# Altium PCB ir-24v-shit5-7-v2.PcbDoc (part 3 of 5)
Units mm, origin at the board's own origin, x right, y up, seen from the top; angles counter-clockwise.
Board outline 326.8 x 258 mm, 2 copper layers (Top Layer, Bottom Layer); 1008 components, 31 nets, 2786 pads, 0 vias.
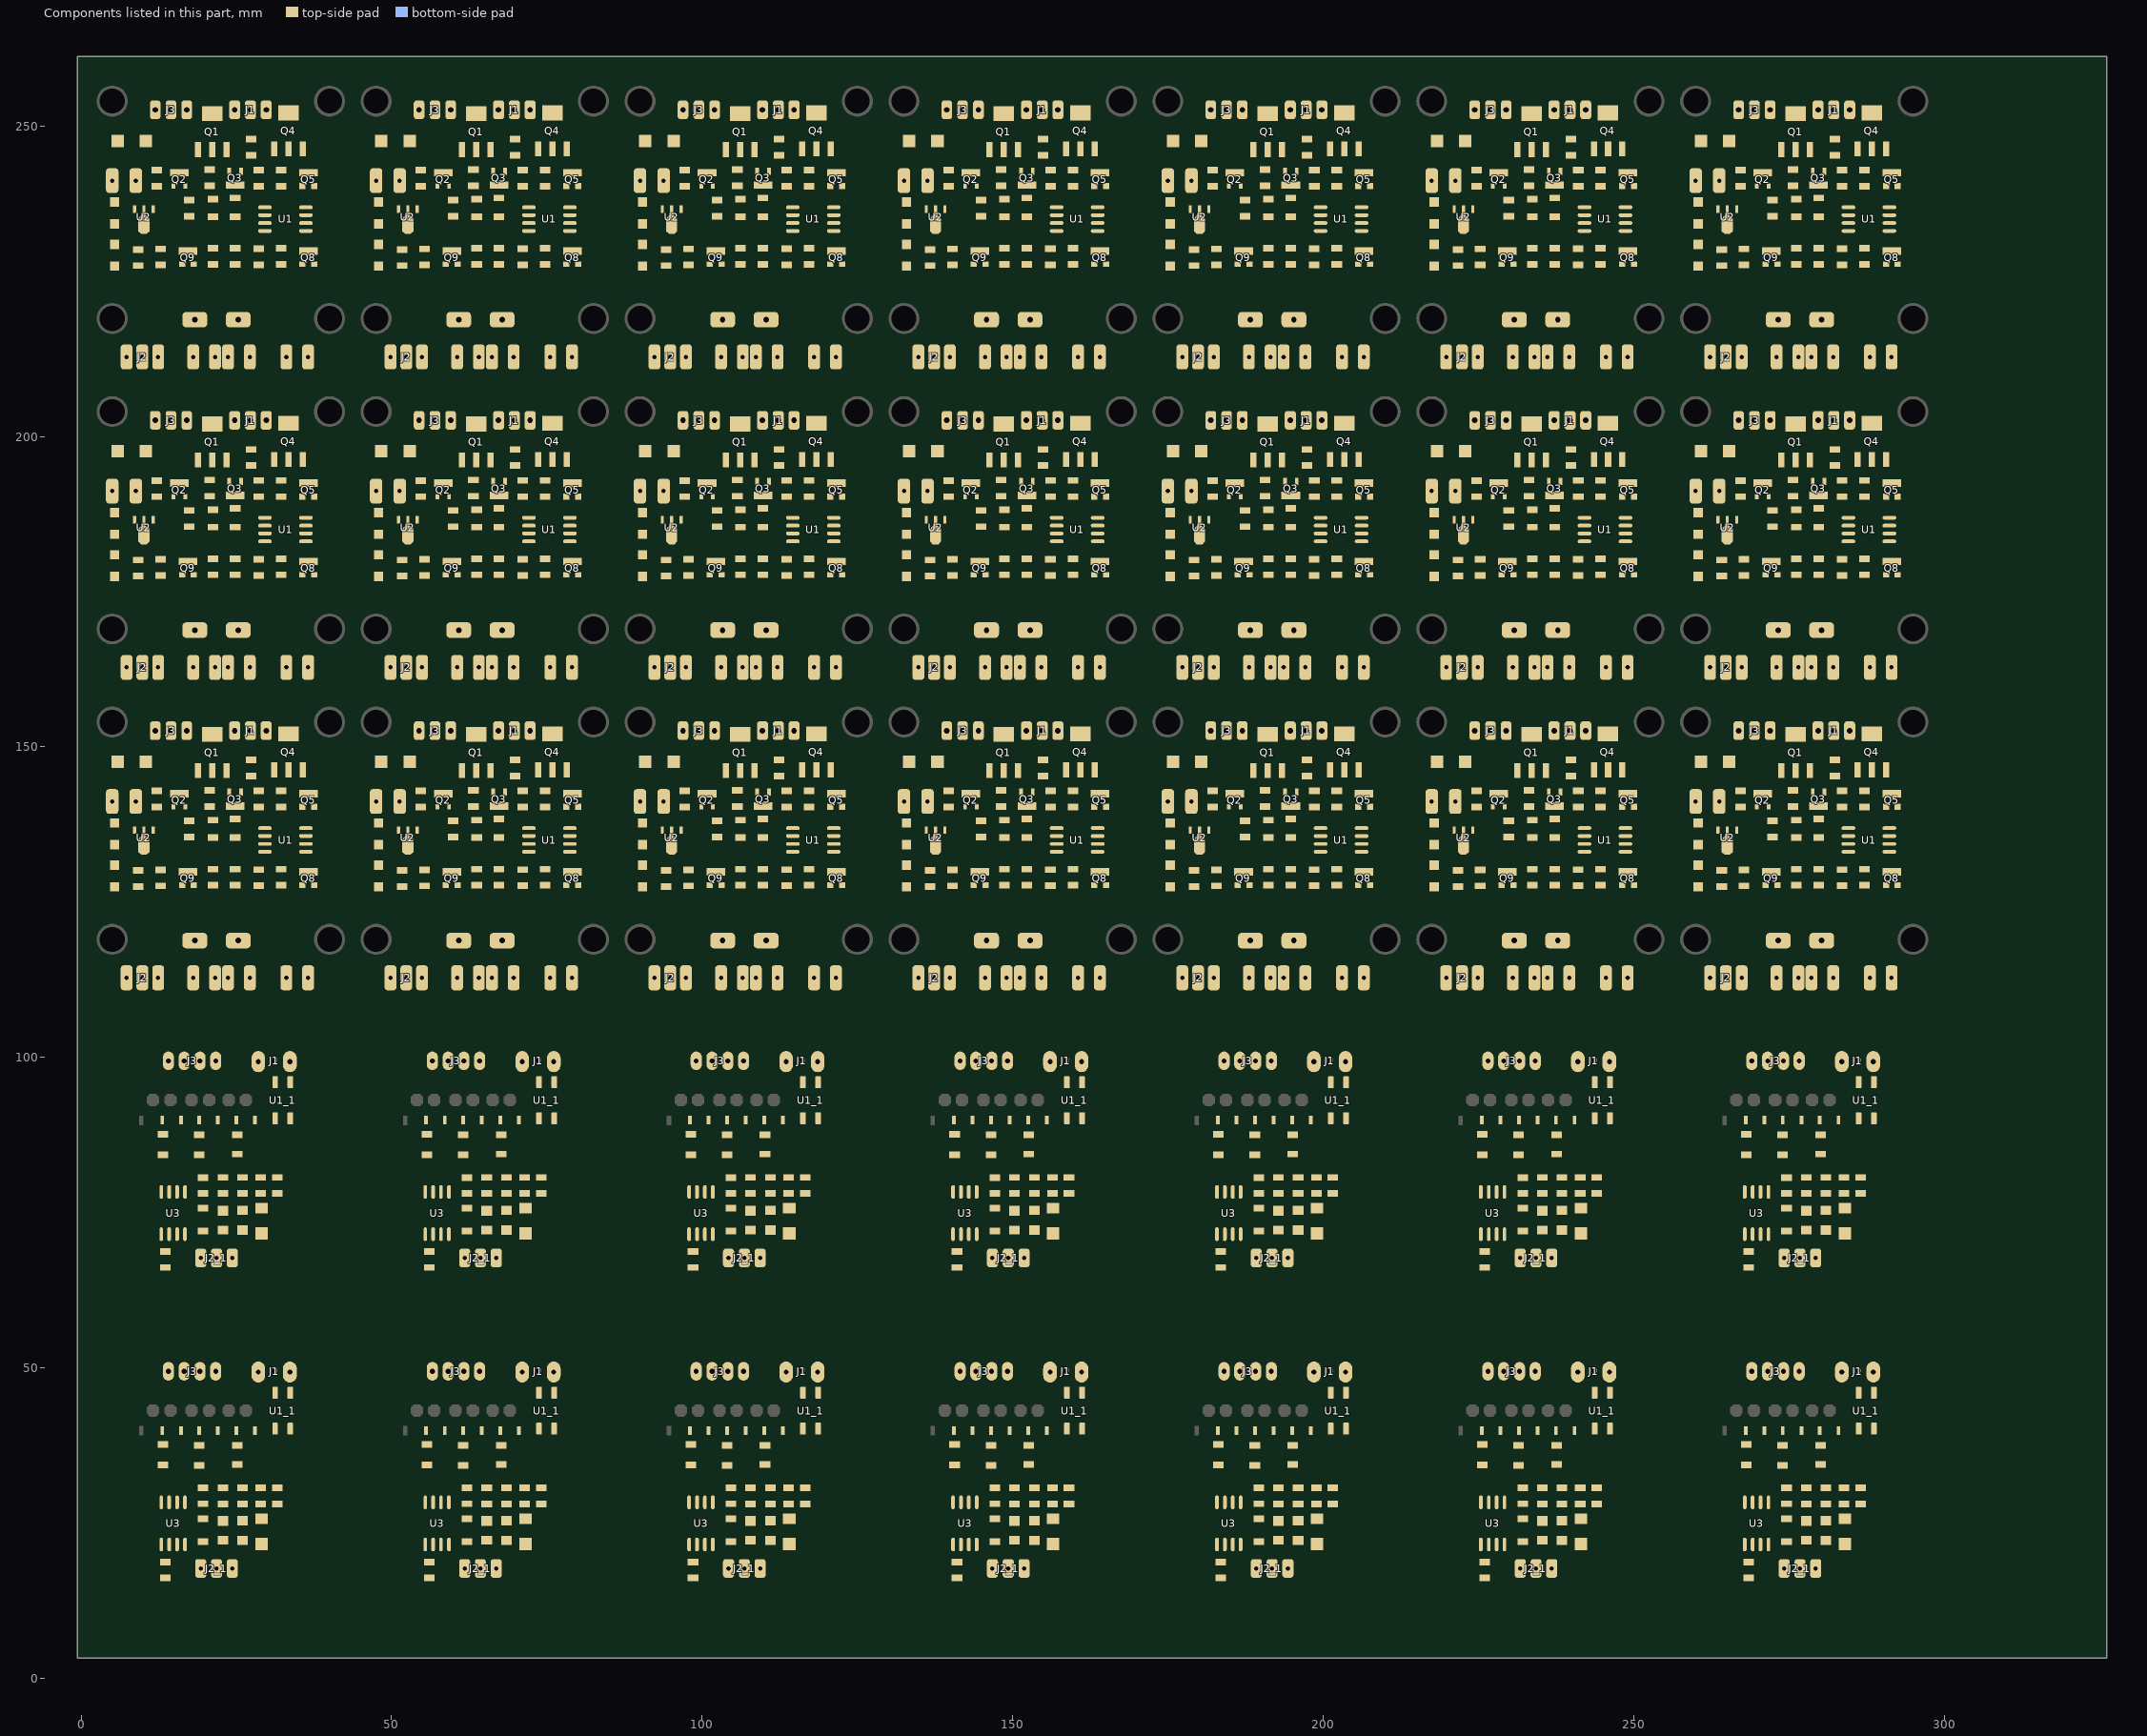
[diagram p3: the components of this part, seen from the top]

## Nets (pads, with @x,y where several pads share a name; then routed paths per layer and width w, separated by ;. In a path a pad name is that pad's centre, name@x,y a point inside that pad or via, vN(x,y) a via of type N, cw(c..) or ccw(c..) an arc to the next point about the centre after c; other vN are vias at no path point) (continued)
copper on no net: (continued)
  Top Layer w0.6: 5,127.45 5.45,127.9 5.9,127.9 8.101,130.101 9.2,130.101 9.501,130.101 13,133.6 13,135.4 ; 5,177.45 5.45,177.9 5.9,177.9 8.101,180.101 9.2,180.101 9.501,180.101 13,183.6 13,185.4 ; 5,227.45 5.45,227.9 5.9,227.9 8.101,230.101 9.2,230.101 9.501,230.101 13,233.6 13,235.4 ; 11.717,136.283 12.6,135.4 13,135.4 ; 11.717,186.283 12.6,185.4 13,185.4 ; 11.717,236.283 12.6,235.4 13,235.4 ; 12,140.299 12.099,140.2 14.85,140.2 ; 12,152.585 12,155.649 12.351,156 36.049,156 36.4,155.649 36.4,149.751 36.049,149.4 30.4,149.4 28.901,147.901 27.4,147.901 ; 12,190.299 12.099,190.2 14.85,190.2 ; 12,202.585 12,205.649 12.351,206 36.049,206 36.4,205.649 36.4,199.751 36.049,199.4 30.4,199.4 28.901,197.901 27.4,197.901 ; 12,240.299 12.099,240.2 14.85,240.2 ; 12,252.585 12,255.649 12.351,256 36.049,256 36.4,255.649 36.4,249.751 36.049,249.4 30.4,249.4 28.901,247.901 27.4,247.901 ; 12.349,113.96 12.349,119.451 11,120.8 11,128.624 11.351,128.975 14.175,128.975 14.6,129.4 14.6,130.8 16.6,132.8 28.105,132.8 28.4,133.095 29.2,133.095 ; 12.349,163.96 12.349,169.451 11,170.8 11,178.624 11.351,178.975 14.175,178.975 14.6,179.4 14.6,180.8 16.6,182.8 28.105,182.8 28.4,183.095 29.2,183.095 ; 12.349,213.96 12.349,219.451 11,220.8 11,228.624 11.351,228.975 14.175,228.975 14.6,229.4 14.6,230.8 16.6,232.8 28.105,232.8 28.4,233.095 29.2,233.095 ; 12.58,130.15 12.75,130.32 12.75,131.35 15.4,134 26.8,134 28.435,135.635 29.2,135.635 ; 12.58,180.15 12.75,180.32 12.75,181.35 15.4,184 26.8,184 28.435,185.635 29.2,185.635 ; 12.58,230.15 12.75,230.32 12.75,231.35 15.4,234 26.8,234 28.435,235.635 29.2,235.635 ; 12.6,142.97 12.75,143.12 12.75,143.35 13.638,144.238 17.762,144.238 18.6,143.4 18.6,142.4 19.324,141.676 22.476,141.676 23.25,142.45 23.85,142.45 23.85,142.888 ; 12.6,192.97 12.75,193.12 12.75,193.35 13.638,194.238 17.762,194.238 18.6,193.4 18.6,192.4 19.324,191.676 22.476,191.676 23.25,192.45 23.85,192.45 23.85,192.888 ; 12.6,242.97 12.75,243.12 12.75,243.35 13.638,244.238 17.762,244.238 18.6,243.4 18.6,242.4 19.324,241.676 22.476,241.676 23.25,242.45 23.85,242.45 23.85,242.888 ; 12.635,127.725 16.25,127.725 ; 12.635,177.725 16.25,177.725 ; 12.635,227.725 16.25,227.725 ; 15.4,142.475 15.7,142.175 17.225,142.175 19.095,140.305 19.8,140.305 ; 15.4,192.475 15.7,192.175 17.225,192.175 19.095,190.305 19.8,190.305 ; 15.4,242.475 15.7,242.175 17.225,242.175 19.095,240.305 19.8,240.305 ; 17.2,129.875 17.2,131.2 17.8,131.8 23.301,131.8 24.25,130.851 24.25,130.526 24.475,130.301 24.8,130.301 25.125,130.301 25.35,130.076 25.35,130.05 26.476,128.924 30.524,128.924 31.65,130.05 31.65,130.076 31.875,130.301 32.2,130.301 32.525,130.301 32.75,130.526 32.75,130.851 33,131.101 33,134.6 30.695,136.905 29.6,136.905 28.105,136.905 26.6,135.4 24.8,135.4 21.2,135.4 21.126,135.474 17.4,135.474 ; 17.2,179.875 17.2,181.2 17.8,181.8 23.301,181.8 24.25,180.851 24.25,180.526 24.475,180.301 24.8,180.301 25.125,180.301 25.35,180.076 25.35,180.05 26.476,178.924 30.524,178.924 31.65,180.05 31.65,180.076 31.875,180.301 32.2,180.301 32.525,180.301 32.75,180.526 32.75,180.851 33,181.101 33,184.6 30.695,186.905 29.6,186.905 28.105,186.905 26.6,185.4 24.8,185.4 21.2,185.4 21.126,185.474 17.4,185.474 ; 17.2,229.875 17.2,231.2 17.8,231.8 23.301,231.8 24.25,230.851 24.25,230.526 24.475,230.301 24.8,230.301 25.125,230.301 25.35,230.076 25.35,230.05 26.476,228.924 30.524,228.924 31.65,230.05 31.65,230.076 31.875,230.301 32.2,230.301 32.525,230.301 32.75,230.526 32.75,230.851 33,231.101 33,234.6 30.695,236.905 29.6,236.905 28.105,236.905 26.6,235.4 24.8,235.4 21.2,235.4 21.126,235.474 17.4,235.474 ; 17.4,135.4 13,135.4 ; 17.4,185.4 13,185.4 ; 17.4,235.4 13,235.4 ; 18.05,112.6 18.627,113.177 18.627,115.027 20.2,116.6 27.8,116.6 29,117.8 29,121.249 28.649,121.6 23.4,121.6 21.4,123.6 21.4,127.808 ; 18.05,162.6 18.627,163.177 18.627,165.027 20.2,166.6 27.8,166.6 29,167.8 29,171.249 28.649,171.6 23.4,171.6 21.4,173.6 21.4,177.808 ; 18.05,212.6 18.627,213.177 18.627,215.027 20.2,216.6 27.8,216.6 29,217.8 29,221.249 28.649,221.6 23.4,221.6 21.4,223.6 21.4,227.808 ; 18.15,127.725 18.275,127.85 18.65,127.85 20.65,129.85 20.65,130.076 20.875,130.301 21.2,130.301 ; 18.15,177.725 18.275,177.85 18.65,177.85 20.65,179.85 20.65,180.076 20.875,180.301 21.2,180.301 ; 18.15,227.725 18.275,227.85 18.65,227.85 20.65,229.85 20.65,230.076 20.875,230.301 21.2,230.301 ; 18.425,127.525 18.098,127.199 18.098,124.302 23.072,119.328 24.372,119.328 25.3,118.4 ; 18.425,177.525 18.098,177.199 18.098,174.302 23.072,169.328 24.372,169.328 25.3,168.4 ; 18.425,227.525 18.098,227.199 18.098,224.302 23.072,219.328 24.372,219.328 25.3,218.4 ; 19,146.237 19,145.3 20.118,144.182 20.118,143.107 20.4,142.825 ; 19,196.237 19,195.3 20.118,194.182 20.118,193.107 20.4,192.825 ; 19,246.237 19,245.3 20.118,244.182 20.118,243.107 20.4,242.825 ; 23.4,146.4 24.8,146.4 25.963,147.563 28.062,147.563 ; 23.4,196.4 24.8,196.4 25.963,197.563 28.062,197.563 ; 23.4,246.4 24.8,246.4 25.963,247.563 28.062,247.563 ; 24.8,127.705 24.8,124 25.4,123.4 30.449,123.4 30.8,123.049 30.8,116.6 28.447,114.247 27.164,114.247 26.717,113.8 ; 24.8,138.4 25,138.6 25,140.275 24.8,140.475 ; 24.8,177.705 24.8,174 25.4,173.4 30.449,173.4 30.8,173.049 30.8,166.6 28.447,164.247 27.164,164.247 26.717,163.8 ; 24.8,188.4 25,188.6 25,190.275 24.8,190.475 ; 24.8,227.705 24.8,224 25.4,223.4 30.449,223.4 30.8,223.049 30.8,216.6 28.447,214.247 27.164,214.247 26.717,213.8 ; 24.8,238.4 25,238.6 25,240.275 24.8,240.475 ; 25.75,142.725 25.75,143 28.374,143 ; 25.75,192.725 25.75,193 28.374,193 ; 25.75,242.725 25.75,243 28.374,243 ; 28.587,127.624 28.587,126.124 28.939,125.772 33.622,125.772 35.45,127.6 35.45,127.725 ; 28.587,130.22 28.812,130.445 29.645,130.445 31.8,132.6 31.8,134.014 31.449,134.365 29.2,134.365 ; 28.587,177.624 28.587,176.124 28.939,175.772 33.622,175.772 35.45,177.6 35.45,177.725 ; 28.587,180.22 28.812,180.445 29.645,180.445 31.8,182.6 31.8,184.014 31.449,184.365 29.2,184.365 ; 28.587,227.624 28.587,226.124 28.939,225.772 33.622,225.772 35.45,227.6 35.45,227.725 ; 28.587,230.22 28.812,230.445 29.645,230.445 31.8,232.6 31.8,234.014 31.449,234.365 29.2,234.365 ; 47.5,127.45 47.95,127.9 48.4,127.9 50.601,130.101 51.7,130.101 52.001,130.101 55.5,133.6 55.5,135.4 ; 47.5,177.45 47.95,177.9 48.4,177.9 50.601,180.101 51.7,180.101 52.001,180.101 55.5,183.6 55.5,185.4 ; 47.5,227.45 47.95,227.9 48.4,227.9 50.601,230.101 51.7,230.101 52.001,230.101 55.5,233.6 55.5,235.4 ; 54.217,136.283 55.1,135.4 55.5,135.4 ; 54.217,186.283 55.1,185.4 55.5,185.4 ; 54.217,236.283 55.1,235.4 55.5,235.4 ; 54.5,140.299 54.599,140.2 57.35,140.2 ; 54.5,152.585 54.5,155.649 54.851,156 78.549,156 78.9,155.649 78.9,149.751 78.549,149.4 72.9,149.4 71.401,147.901 69.9,147.901 ; 54.5,190.299 54.599,190.2 57.35,190.2 ; 54.5,202.585 54.5,205.649 54.851,206 78.549,206 78.9,205.649 78.9,199.751 78.549,199.4 72.9,199.4 71.401,197.901 69.9,197.901 ; 54.5,240.299 54.599,240.2 57.35,240.2 ; 54.5,252.585 54.5,255.649 54.851,256 78.549,256 78.9,255.649 78.9,249.751 78.549,249.4 72.9,249.4 71.401,247.901 69.9,247.901 ; 54.849,113.96 54.849,119.451 53.5,120.8 53.5,128.624 53.851,128.975 56.675,128.975 57.1,129.4 57.1,130.8 59.1,132.8 70.605,132.8 70.9,133.095 71.7,133.095 ; 54.849,163.96 54.849,169.451 53.5,170.8 53.5,178.624 53.851,178.975 56.675,178.975 57.1,179.4 57.1,180.8 59.1,182.8 70.605,182.8 70.9,183.095 71.7,183.095 ; 54.849,213.96 54.849,219.451 53.5,220.8 53.5,228.624 53.851,228.975 56.675,228.975 57.1,229.4 57.1,230.8 59.1,232.8 70.605,232.8 70.9,233.095 71.7,233.095 ; 55.08,130.15 55.25,130.32 55.25,131.35 57.9,134 69.3,134 70.935,135.635 71.7,135.635 ; 55.08,180.15 55.25,180.32 55.25,181.35 57.9,184 69.3,184 70.935,185.635 71.7,185.635 ; 55.08,230.15 55.25,230.32 55.25,231.35 57.9,234 69.3,234 70.935,235.635 71.7,235.635 ; 55.1,142.97 55.25,143.12 55.25,143.35 56.138,144.238 60.262,144.238 61.1,143.4 61.1,142.4 61.824,141.676 64.976,141.676 65.75,142.45 66.35,142.45 66.35,142.888 ; 55.1,192.97 55.25,193.12 55.25,193.35 56.138,194.238 60.262,194.238 61.1,193.4 61.1,192.4 61.824,191.676 64.976,191.676 65.75,192.45 66.35,192.45 66.35,192.888 ; 55.1,242.97 55.25,243.12 55.25,243.35 56.138,244.238 60.262,244.238 61.1,243.4 61.1,242.4 61.824,241.676 64.976,241.676 65.75,242.45 66.35,242.45 66.35,242.888 ; 55.135,127.725 58.75,127.725 ; 55.135,177.725 58.75,177.725 ; 55.135,227.725 58.75,227.725 ; 57.9,142.475 58.2,142.175 59.725,142.175 61.595,140.305 62.3,140.305 ; 57.9,192.475 58.2,192.175 59.725,192.175 61.595,190.305 62.3,190.305 ; 57.9,242.475 58.2,242.175 59.725,242.175 61.595,240.305 62.3,240.305 ; 59.7,129.875 59.7,131.2 60.3,131.8 65.801,131.8 66.75,130.851 66.75,130.526 66.975,130.301 67.3,130.301 67.625,130.301 67.85,130.076 67.85,130.05 68.976,128.924 73.024,128.924 74.15,130.05 74.15,130.076 74.375,130.301 74.7,130.301 75.025,130.301 75.25,130.526 75.25,130.851 75.5,131.101 75.5,134.6 73.195,136.905 72.1,136.905 70.605,136.905 69.1,135.4 67.3,135.4 63.7,135.4 63.626,135.474 59.9,135.474 ; 59.7,179.875 59.7,181.2 60.3,181.8 65.801,181.8 66.75,180.851 66.75,180.526 66.975,180.301 67.3,180.301 67.625,180.301 67.85,180.076 67.85,180.05 68.976,178.924 73.024,178.924 74.15,180.05 74.15,180.076 74.375,180.301 74.7,180.301 75.025,180.301 75.25,180.526 75.25,180.851 75.5,181.101 75.5,184.6 73.195,186.905 72.1,186.905 70.605,186.905 69.1,185.4 67.3,185.4 63.7,185.4 63.626,185.474 59.9,185.474 ; 59.7,229.875 59.7,231.2 60.3,231.8 65.801,231.8 66.75,230.851 66.75,230.526 66.975,230.301 67.3,230.301 67.625,230.301 67.85,230.076 67.85,230.05 68.976,228.924 73.024,228.924 74.15,230.05 74.15,230.076 74.375,230.301 74.7,230.301 75.025,230.301 75.25,230.526 75.25,230.851 75.5,231.101 75.5,234.6 73.195,236.905 72.1,236.905 70.605,236.905 69.1,235.4 67.3,235.4 63.7,235.4 63.626,235.474 59.9,235.474 ; 59.9,135.4 55.5,135.4 ; 59.9,185.4 55.5,185.4 ; 59.9,235.4 55.5,235.4 ; 60.55,112.6 61.127,113.177 61.127,115.027 62.7,116.6 70.3,116.6 71.5,117.8 71.5,121.249 71.149,121.6 65.9,121.6 63.9,123.6 63.9,127.808 ; 60.55,162.6 61.127,163.177 61.127,165.027 62.7,166.6 70.3,166.6 71.5,167.8 71.5,171.249 71.149,171.6 65.9,171.6 63.9,173.6 63.9,177.808 ; 60.55,212.6 61.127,213.177 61.127,215.027 62.7,216.6 70.3,216.6 71.5,217.8 71.5,221.249 71.149,221.6 65.9,221.6 63.9,223.6 63.9,227.808 ; 60.65,127.725 60.775,127.85 61.15,127.85 63.15,129.85 63.15,130.076 63.375,130.301 63.7,130.301 ; 60.65,177.725 60.775,177.85 61.15,177.85 63.15,179.85 63.15,180.076 63.375,180.301 63.7,180.301 ; 60.65,227.725 60.775,227.85 61.15,227.85 63.15,229.85 63.15,230.076 63.375,230.301 63.7,230.301 ; 60.925,127.525 60.598,127.199 60.598,124.302 65.572,119.328 66.872,119.328 67.8,118.4 ; 60.925,177.525 60.598,177.199 60.598,174.302 65.572,169.328 66.872,169.328 67.8,168.4 ; 60.925,227.525 60.598,227.199 60.598,224.302 65.572,219.328 66.872,219.328 67.8,218.4 ; 61.5,146.237 61.5,145.3 62.618,144.182 62.618,143.107 62.9,142.825 ; 61.5,196.237 61.5,195.3 62.618,194.182 62.618,193.107 62.9,192.825 ; 61.5,246.237 61.5,245.3 62.618,244.182 62.618,243.107 62.9,242.825 ; 65.9,146.4 67.3,146.4 68.463,147.563 70.562,147.563 ; 65.9,196.4 67.3,196.4 68.463,197.563 70.562,197.563 ; 65.9,246.4 67.3,246.4 68.463,247.563 70.562,247.563 ; 67.3,127.705 67.3,124 67.9,123.4 72.949,123.4 73.3,123.049 73.3,116.6 70.947,114.247 69.664,114.247 69.217,113.8 ; 67.3,138.4 67.5,138.6 67.5,140.275 67.3,140.475 ; 67.3,177.705 67.3,174 67.9,173.4 72.949,173.4 73.3,173.049 73.3,166.6 70.947,164.247 69.664,164.247 69.217,163.8 ; 67.3,188.4 67.5,188.6 67.5,190.275 67.3,190.475 ; 67.3,227.705 67.3,224 67.9,223.4 72.949,223.4 73.3,223.049 73.3,216.6 70.947,214.247 69.664,214.247 69.217,213.8 ; 67.3,238.4 67.5,238.6 67.5,240.275 67.3,240.475 ; 68.25,142.725 68.25,143 70.874,143 ; 68.25,192.725 68.25,193 70.874,193 ; 68.25,242.725 68.25,243 70.874,243 ; 71.087,127.624 71.087,126.124 71.439,125.772 76.122,125.772 77.95,127.6 77.95,127.725 ; 71.087,130.22 71.312,130.445 72.145,130.445 74.3,132.6 74.3,134.014 73.949,134.365 71.7,134.365 ; 71.087,177.624 71.087,176.124 71.439,175.772 76.122,175.772 77.95,177.6 77.95,177.725 ; 71.087,180.22 71.312,180.445 72.145,180.445 74.3,182.6 74.3,184.014 73.949,184.365 71.7,184.365 ; 71.087,227.624 71.087,226.124 71.439,225.772 76.122,225.772 77.95,227.6 77.95,227.725 ; 71.087,230.22 71.312,230.445 72.145,230.445 74.3,232.6 74.3,234.014 73.949,234.365 71.7,234.365 ; 90,127.45 90.45,127.9 90.9,127.9 93.101,130.101 94.2,130.101 94.501,130.101 98,133.6 98,135.4 ; 90,177.45 90.45,177.9 90.9,177.9 93.101,180.101 94.2,180.101 94.501,180.101 98,183.6 98,185.4 ; 90,227.45 90.45,227.9 90.9,227.9 93.101,230.101 94.2,230.101 94.501,230.101 98,233.6 98,235.4 ; 96.717,136.283 97.6,135.4 98,135.4 ; 96.717,186.283 97.6,185.4 98,185.4 ; 96.717,236.283 97.6,235.4 98,235.4 ; 97,140.299 97.099,140.2 99.85,140.2 ; 97,152.585 97,155.649 97.351,156 121.049,156 121.4,155.649 121.4,149.751 121.049,149.4 115.4,149.4 113.901,147.901 112.4,147.901 ; 97,190.299 97.099,190.2 99.85,190.2 ; 97,202.585 97,205.649 97.351,206 121.049,206 121.4,205.649 121.4,199.751 121.049,199.4 115.4,199.4 113.901,197.901 112.4,197.901 ; 97,240.299 97.099,240.2 99.85,240.2 ; 97,252.585 97,255.649 97.351,256 121.049,256 121.4,255.649 121.4,249.751 121.049,249.4 115.4,249.4 113.901,247.901 112.4,247.901 ; 97.349,113.96 97.349,119.451 96,120.8 96,128.624 96.351,128.975 99.175,128.975 99.6,129.4 99.6,130.8 101.6,132.8 113.105,132.8 113.4,133.095 114.2,133.095 ; 97.349,163.96 97.349,169.451 96,170.8 96,178.624 96.351,178.975 99.175,178.975 99.6,179.4 99.6,180.8 101.6,182.8 113.105,182.8 113.4,183.095 114.2,183.095 ; 97.349,213.96 97.349,219.451 96,220.8 96,228.624 96.351,228.975 99.175,228.975 99.6,229.4 99.6,230.8 101.6,232.8 113.105,232.8 113.4,233.095 114.2,233.095 ; 97.58,130.15 97.75,130.32 97.75,131.35 100.4,134 111.8,134 113.435,135.635 114.2,135.635 ; 97.58,180.15 97.75,180.32 97.75,181.35 100.4,184 111.8,184 113.435,185.635 114.2,185.635 ; 97.58,230.15 97.75,230.32 97.75,231.35 100.4,234 111.8,234 113.435,235.635 114.2,235.635 ; 97.6,142.97 97.75,143.12 97.75,143.35 98.638,144.238 102.762,144.238 103.6,143.4 103.6,142.4 104.324,141.676 107.476,141.676 108.25,142.45 108.85,142.45 108.85,142.888 ; 97.6,192.97 97.75,193.12 97.75,193.35 98.638,194.238 102.762,194.238 103.6,193.4 103.6,192.4 104.324,191.676 107.476,191.676 108.25,192.45 108.85,192.45 108.85,192.888 ; 97.6,242.97 97.75,243.12 97.75,243.35 98.638,244.238 102.762,244.238 103.6,243.4 103.6,242.4 104.324,241.676 107.476,241.676 108.25,242.45 108.85,242.45 108.85,242.888 ; 97.635,127.725 101.25,127.725 ; 97.635,177.725 101.25,177.725 ; 97.635,227.725 101.25,227.725 ; 100.4,142.475 100.7,142.175 102.225,142.175 104.095,140.305 104.8,140.305 ; 100.4,192.475 100.7,192.175 102.225,192.175 104.095,190.305 104.8,190.305 ; 100.4,242.475 100.7,242.175 102.225,242.175 104.095,240.305 104.8,240.305 ; 102.2,129.875 102.2,131.2 102.8,131.8 108.301,131.8 109.25,130.851 109.25,130.526 109.475,130.301 109.8,130.301 110.125,130.301 110.35,130.076 110.35,130.05 111.476,128.924 115.524,128.924 116.65,130.05 116.65,130.076 116.875,130.301 117.2,130.301 117.525,130.301 117.75,130.526 117.75,130.851 118,131.101 118,134.6 115.695,136.905 114.6,136.905 113.105,136.905 111.6,135.4 109.8,135.4 106.2,135.4 106.126,135.474 102.4,135.474 ; 102.2,179.875 102.2,181.2 102.8,181.8 108.301,181.8 109.25,180.851 109.25,180.526 109.475,180.301 109.8,180.301 110.125,180.301 110.35,180.076 110.35,180.05 111.476,178.924 115.524,178.924 116.65,180.05 116.65,180.076 116.875,180.301 117.2,180.301 117.525,180.301 117.75,180.526 117.75,180.851 118,181.101 118,184.6 115.695,186.905 114.6,186.905 113.105,186.905 111.6,185.4 109.8,185.4 106.2,185.4 106.126,185.474 102.4,185.474 ; 102.2,229.875 102.2,231.2 102.8,231.8 108.301,231.8 109.25,230.851 109.25,230.526 109.475,230.301 109.8,230.301 110.125,230.301 110.35,230.076 110.35,230.05 111.476,228.924 115.524,228.924 116.65,230.05 116.65,230.076 116.875,230.301 117.2,230.301 117.525,230.301 117.75,230.526 117.75,230.851 118,231.101 118,234.6 115.695,236.905 114.6,236.905 113.105,236.905 111.6,235.4 109.8,235.4 106.2,235.4 106.126,235.474 102.4,235.474 ; 102.4,135.4 98,135.4 ; 102.4,185.4 98,185.4 ; 102.4,235.4 98,235.4 ; 103.05,112.6 103.627,113.177 103.627,115.027 105.2,116.6 112.8,116.6 114,117.8 114,121.249 113.649,121.6 108.4,121.6 106.4,123.6 106.4,127.808 ; 103.05,162.6 103.627,163.177 103.627,165.027 105.2,166.6 112.8,166.6 114,167.8 114,171.249 113.649,171.6 108.4,171.6 106.4,173.6 106.4,177.808 ; 103.05,212.6 103.627,213.177 103.627,215.027 105.2,216.6 112.8,216.6 114,217.8 114,221.249 113.649,221.6 108.4,221.6 106.4,223.6 106.4,227.808 ; 103.15,127.725 103.275,127.85 103.65,127.85 105.65,129.85 105.65,130.076 105.875,130.301 106.2,130.301 ; 103.15,177.725 103.275,177.85 103.65,177.85 105.65,179.85 105.65,180.076 105.875,180.301 106.2,180.301 ; 103.15,227.725 103.275,227.85 103.65,227.85 105.65,229.85 105.65,230.076 105.875,230.301 106.2,230.301 ; 103.425,127.525 103.098,127.199 103.098,124.302 108.072,119.328 109.372,119.328 110.3,118.4 ; 103.425,177.525 103.098,177.199 103.098,174.302 108.072,169.328 109.372,169.328 110.3,168.4 ; 103.425,227.525 103.098,227.199 103.098,224.302 108.072,219.328 109.372,219.328 110.3,218.4 ; 104,146.237 104,145.3 105.118,144.182 105.118,143.107 105.4,142.825 ; 104,196.237 104,195.3 105.118,194.182 105.118,193.107 105.4,192.825 ; 104,246.237 104,245.3 105.118,244.182 105.118,243.107 105.4,242.825 ; 108.4,146.4 109.8,146.4 110.963,147.563 113.062,147.563 ; 108.4,196.4 109.8,196.4 110.963,197.563 113.062,197.563 ; 108.4,246.4 109.8,246.4 110.963,247.563 113.062,247.563 ; 109.8,127.705 109.8,124 110.4,123.4 115.449,123.4 115.8,123.049 115.8,116.6 113.447,114.247 112.164,114.247 111.717,113.8 ; 109.8,138.4 110,138.6 110,140.275 109.8,140.475 ; 109.8,177.705 109.8,174 110.4,173.4 115.449,173.4 115.8,173.049 115.8,166.6 113.447,164.247 112.164,164.247 111.717,163.8 ; 109.8,188.4 110,188.6 110,190.275 109.8,190.475 ; 109.8,227.705 109.8,224 110.4,223.4 115.449,223.4 115.8,223.049 115.8,216.6 113.447,214.247 112.164,214.247 111.717,213.8 ; 109.8,238.4 110,238.6 110,240.275 109.8,240.475 ; 110.75,142.725 110.75,143 113.374,143 ; 110.75,192.725 110.75,193 113.374,193 ; 110.75,242.725 110.75,243 113.374,243 ; 113.587,127.624 113.587,126.124 113.939,125.772 118.622,125.772 120.45,127.6 120.45,127.725 ; 113.587,130.22 113.812,130.445 114.645,130.445 116.8,132.6 116.8,134.014 116.449,134.365 114.2,134.365 ; 113.587,177.624 113.587,176.124 113.939,175.772 118.622,175.772 120.45,177.6 120.45,177.725 ; 113.587,180.22 113.812,180.445 114.645,180.445 116.8,182.6 116.8,184.014 116.449,184.365 114.2,184.365 ; 113.587,227.624 113.587,226.124 113.939,225.772 118.622,225.772 120.45,227.6 120.45,227.725 ; 113.587,230.22 113.812,230.445 114.645,230.445 116.8,232.6 116.8,234.014 116.449,234.365 114.2,234.365 ; 132.5,127.45 132.95,127.9 133.4,127.9 135.601,130.101 136.7,130.101 137.001,130.101 140.5,133.6 140.5,135.4 ; 132.5,177.45 132.95,177.9 133.4,177.9 135.601,180.101 136.7,180.101 137.001,180.101 140.5,183.6 140.5,185.4 ; 132.5,227.45 132.95,227.9 133.4,227.9 135.601,230.101 136.7,230.101 137.001,230.101 140.5,233.6 140.5,235.4 ; 139.217,136.283 140.1,135.4 140.5,135.4 ; 139.217,186.283 140.1,185.4 140.5,185.4 ; 139.217,236.283 140.1,235.4 140.5,235.4 ; 139.5,140.299 139.599,140.2 142.35,140.2 ; 139.5,152.585 139.5,155.649 139.851,156 163.549,156 163.9,155.649 163.9,149.751 163.549,149.4 157.9,149.4 156.401,147.901 154.9,147.901 ; 139.5,190.299 139.599,190.2 142.35,190.2 ; 139.5,202.585 139.5,205.649 139.851,206 163.549,206 163.9,205.649 163.9,199.751 163.549,199.4 157.9,199.4 156.401,197.901 154.9,197.901 ; 139.5,240.299 139.599,240.2 142.35,240.2 ; 139.5,252.585 139.5,255.649 139.851,256 163.549,256 163.9,255.649 163.9,249.751 163.549,249.4 157.9,249.4 156.401,247.901 154.9,247.901 ; 139.849,113.96 139.849,119.451 138.5,120.8 138.5,128.624 138.851,128.975 141.675,128.975 142.1,129.4 142.1,130.8 144.1,132.8 155.605,132.8 